# Altium PCB HealthSensors.PcbDoc
Units mm, origin at the board's own origin, x right, y up, seen from the top; angles counter-clockwise.
Board outline 50.5 x 66 mm, 2 copper layers (Top Layer, Bottom Layer); 144 components, 97 nets, 497 pads, 126 vias.
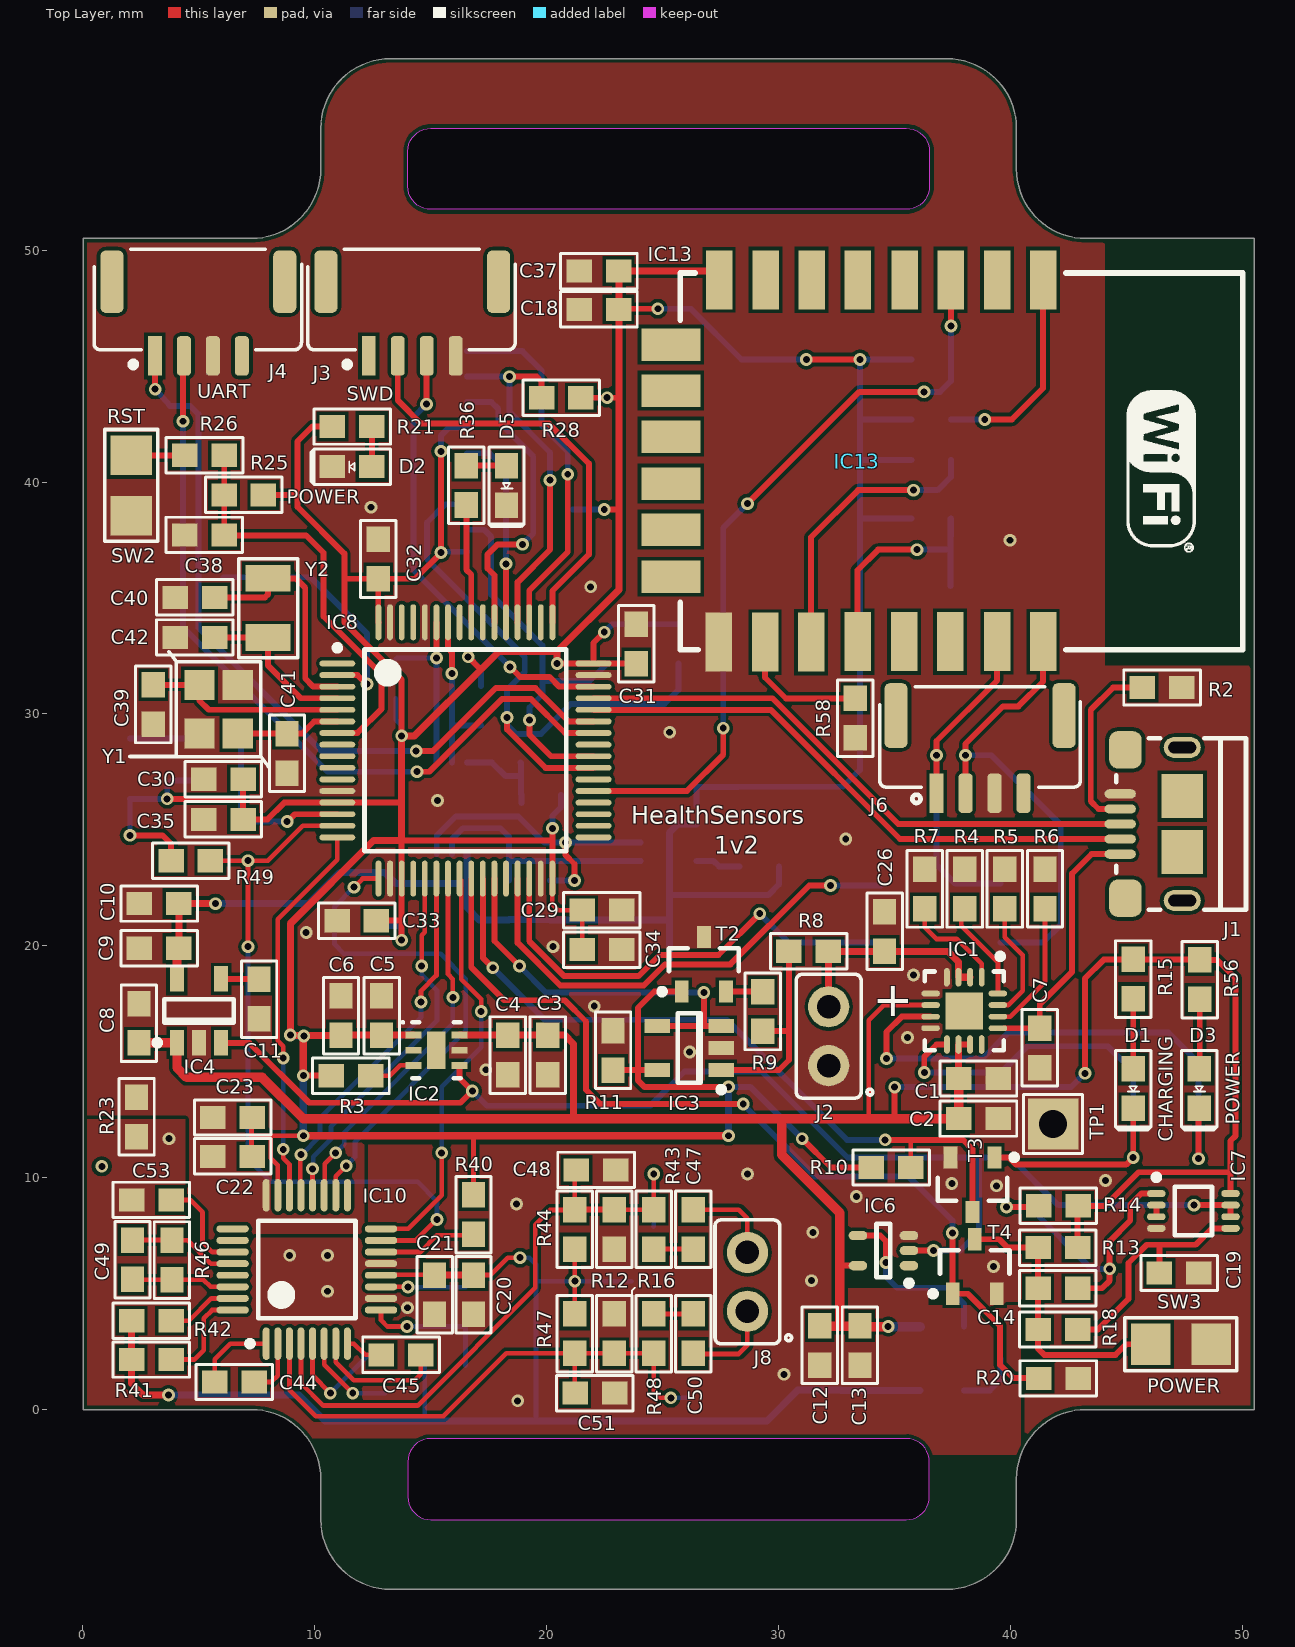
[diagram p0: Top Layer view]
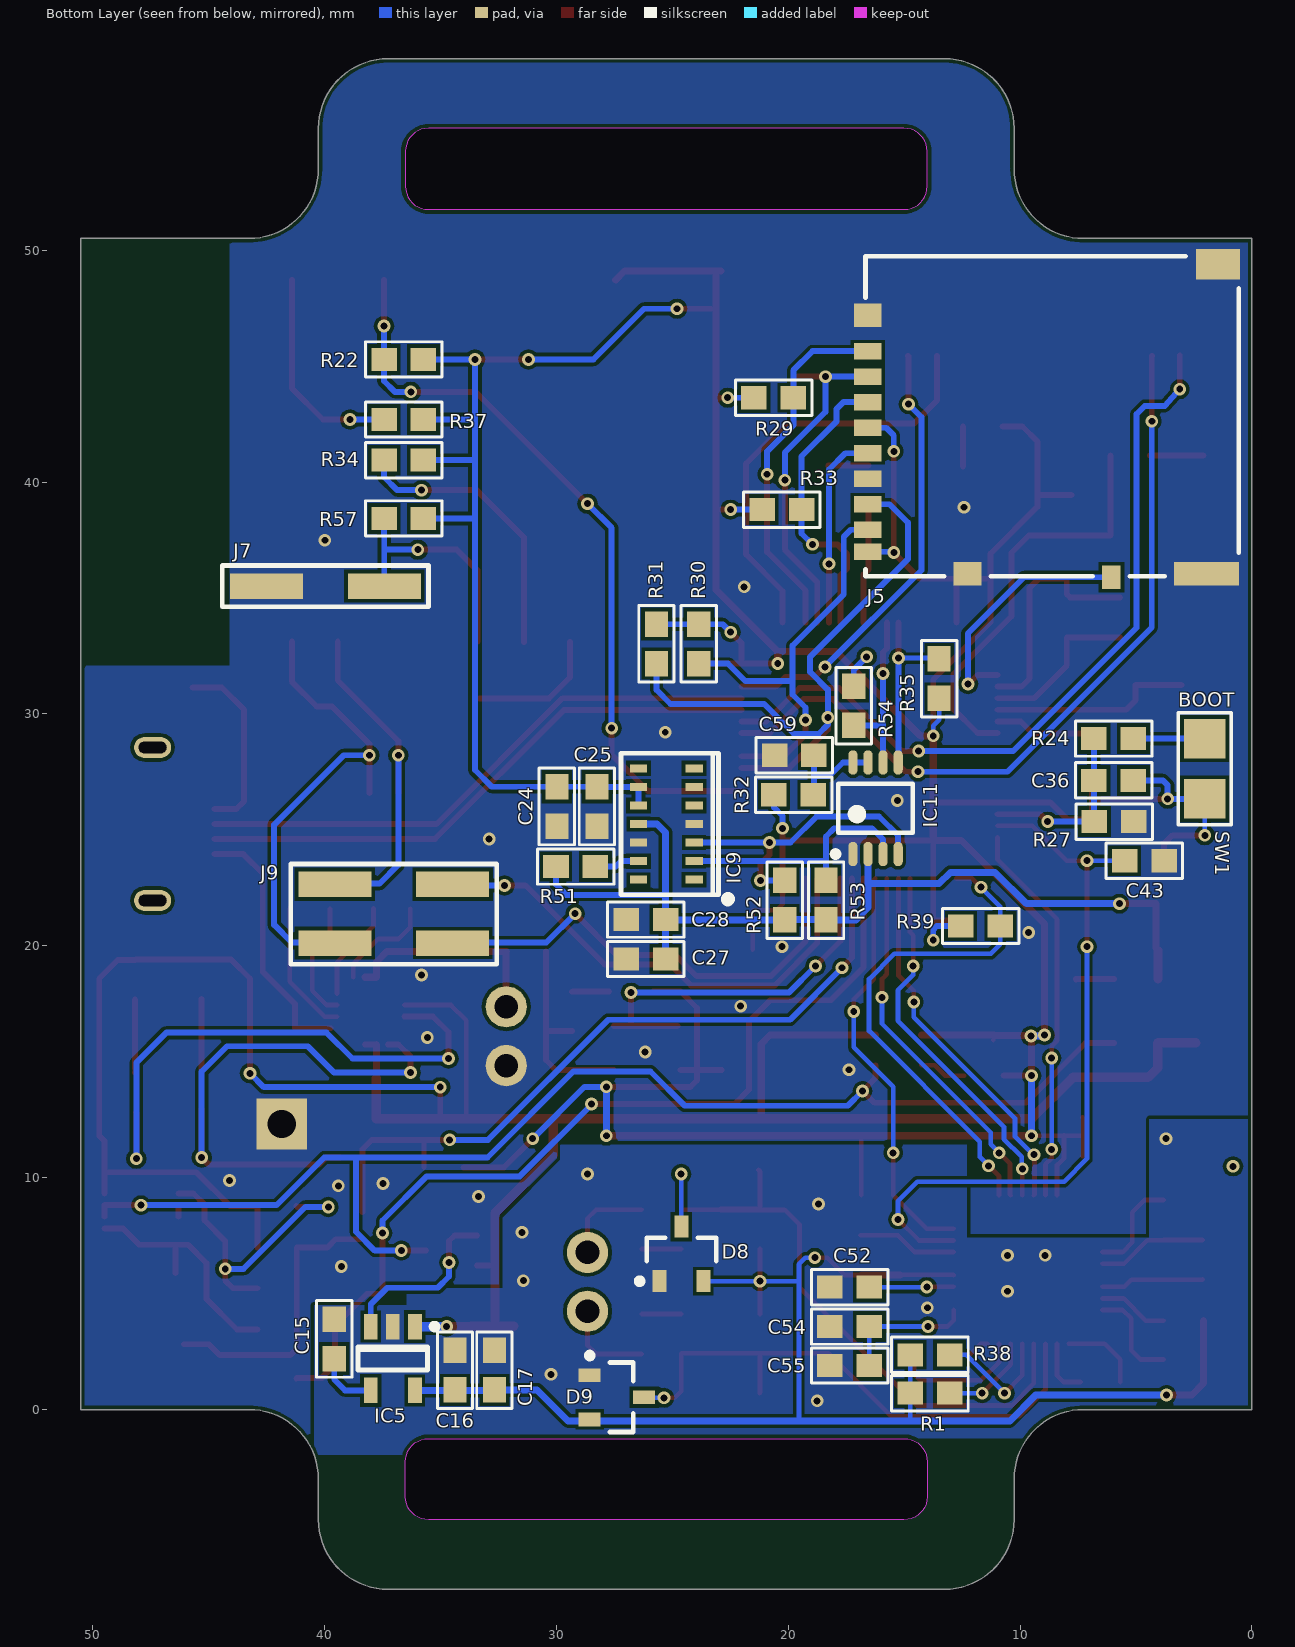
[diagram p1: Bottom Layer view, seen from below]

## Layer stack, top to bottom
Top Solder: solder mask 0.0102, Solder Resist, Dk 3.5
Top Layer: signal copper 0.0356
Dielectric 1: dielectric 0.32, FR-4, Dk 4.8
Bottom Layer: signal copper 0.0356
Bottom Solder: solder mask 0.0102, Solder Resist, Dk 3.5

## Board outline
0.004,0.004 7.254,0.004 cw(c7.254,-2.996) 10.254,-2.996 10.254,-4.746 ccw(c13.254,-4.746) 13.254,-7.746 37.254,-7.746 ccw(c37.254,-4.746) 40.254,-4.746 40.254,-2.996 cw(c43.254,-2.996) 43.254,0.004 50.504,0.004 50.504,50.504 43.254,50.504 cw(c43.254,53.504) 40.254,53.504 40.254,55.254 ccw(c37.254,55.254) 37.254,58.254 13.254,58.254 ccw(c13.254,55.254) 10.254,55.254 10.254,53.504 cw(c7.254,53.504) 7.254,50.504 0.004,50.504
cut-out: 14.004,52.754 14.004,54.254 cw(c15.004,54.254) 15.004,55.254 35.504,55.254 cw(c35.504,54.254) 36.504,54.254 36.504,52.754 cw(c35.504,52.754) 35.504,51.754 15.004,51.754 cw(c15.004,52.754)
cut-out: 14.004,-3.746 ccw(c15.004,-3.746) 15.004,-4.746 35.504,-4.746 ccw(c35.504,-3.746) 36.504,-3.746 36.504,-2.246 ccw(c35.504,-2.246) 35.504,-1.246 15.004,-1.246 ccw(c15.004,-2.246) 14.004,-2.246

## Design rules (kind name [scope] priority, off if disabled: settings)
BoardOutlineClearance [All] p1: gap=0.175 ignorepadtopadclearanceinfootprint=FALSE
Clearance [All] p1: gap=0.152 ignorepadtopadclearanceinfootprint=FALSE
HoleSize [All] p1: absolutevalues=TRUE maxlimit=2 minlimit=0.3 maxpercent=80.000 minpercent=20.000
HoleToHoleClearance [All] p1: gap=0.2 allowstackedmicrovias=TRUE
MinimumSolderMaskSliver [All] p1: minsoldermaskwidth=0.102
PolygonConnect [All] p1: connectstyle=Direct reliefconductorwidth=0.254 reliefentries=4 polygonreliefangle="90 Angle" airgapwidth=0.254
RoutingVias [All] p1: holewidth=0.3 width=2 viastyle="Through Hole" minholewidth=0.3 minwidth=0.55 maxholewidth=1 maxwidth=0.55
SilkToSilkClearance [All] p1: silktosilkclearance=0
SilkToSolderMaskClearance [IsPad] p1: minsilkscreentomaskgap=0.1 clearancetoexposedcopper=TRUE
SolderMaskExpansion [All] p1: expansion=0
Width [All] p1: maxlimit=1.016 minlimit=0.152 preferedwidth=0.203 minimp=50.000000 maximp=50.000000 favimp=50.000000
25 further rules are at their usual default settings.

## Components (designator, comment, footprint, x,y, rotation, side; value= is the part's Value field where it differs from the comment)
C1 "4.7uF" "CAP 0603" 38.616,14.279 r180 top
C2 "100nF" "CAP 0603" 38.616,12.551 r180 top
C3 "100nF" "CAP 0603" 20.041,15.291 r90 top
C4 "10uF" "CAP 0603" 18.313,15.291 r90 top
C5 "1uF" "CAP 0603" 12.878,16.993 r270 top
C6 "100nF" "CAP 0603" 11.125,16.993 r270 top
C7 "1uF" "CAP 0603" 41.257,15.599 r90 top
C8 "100nF" "CAP 0603" 2.413,16.662 r270 top
C9 "2.2uF" "CAP 0603" 3.284,19.892 r0 top
C10 "100nF" "CAP 0603" 3.284,21.822 r0 top
C11 "10nF" "CAP 0603" 7.595,17.704 r90 top
C12 "100nF" "CAP 0603" 31.775,2.769 r90 top
C13 "1uF" "CAP 0603" 33.503,2.769 r90 top
C14 "1uF" "CAP 0603" 42.037,5.232 r0 top
C15 "10nF" "CAP 0603" 39.573,3.048 r270 bottom
C16 "1uF" "CAP 0603" 34.366,1.702 r270 bottom
C17 "100nF" "CAP 0603" 32.664,1.702 r270 bottom
C18 "10uF" "CAP 0603" 22.25,47.447 r0 top
C19 "1uF" "CAP 0603" 47.269,5.893 r180 top
C20 "1uF" "CAP 0603" 16.84,4.953 r90 top
C21 "100nF" "CAP 0603" 15.164,4.953 r90 top
C22 "1uF" "CAP 0603" 6.452,10.922 r0 top
C23 "100nF" "CAP 0603" 6.452,12.598 r0 top
C24 "10uF" "CAP 0603" 29.972,26.01 r90 bottom
C25 "100nF" "CAP 0603" 28.245,26.01 r90 bottom
C26 "4.7uF" "CAP 0603" 34.569,20.625 r270 top
C27 "4.7uF" "CAP 0603" 26.137,19.431 r180 bottom
C28 "100nF" "CAP 0603" 26.137,21.133 r180 bottom
C29 "4.7uF" "CAP 0603" 22.377,21.539 r180 top
C30 "1uF" "CAP 0603" 6.053,27.182 r0 top
C31 "100nF" "CAP 0603" 23.858,33.024 r270 top
C32 "100nF" "CAP 0603" 12.733,36.681 r270 top
C33 "100nF" "CAP 0603" 11.807,21.086 r0 top
C34 "100nF" "CAP 0603" 22.377,19.837 r180 top
C35 "100nF" "CAP 0603" 6.053,25.455 r0 top
C36 "100nF" "CAP 0603" 5.965,27.135 r180 bottom
C37 "100nF" "CAP 0603" 22.25,49.098 r0 top
C38 "100nF" "CAP 0603" 5.232,37.719 r0 top
C39 "15pF" "CAP 0603" 3.03,30.408 r90 top
C40 "15pF" "CAP 0603" 4.826,35.027 r0 top
C41 "15pF" "CAP 0603" 8.796,28.299 r90 top
C42 "15pF" "CAP 0603" 4.826,33.299 r0 top
C43 "100nF" "CAP 0603" 4.636,23.673 r0 bottom
C44 "4.7nF" "CAP 0603" 6.528,1.194 r0 top
C45 "4.7nF" "CAP 0603" 13.716,2.362 r180 top
C47 "1uF" "CAP 0603" 26.314,7.772 r270 top
C48 "1nF" "CAP 0603" 22.123,10.338 r180 top
C49 "1.5nF" "CAP 0603" 2.134,6.464 r270 top
C50 "1uF" "CAP 0603" 26.314,3.277 r90 top
C51 "1nF" "CAP 0603" 22.073,0.711 r180 top
C52 "1uF" "CAP 0603" 17.348,5.283 r180 bottom
C53 "1uF" "CAP 0603" 2.946,9.042 r0 top
C54 "10uF" "CAP 0603" 17.348,3.581 r180 bottom
C55 "100nF" "CAP 0603" 17.348,1.905 r180 bottom
C59 "100pF" "CAP 0603" 19.736,28.219 r180 bottom
D1 "Orange" "LED 0603" 45.288,13.843 r270 top
D2 "Green" "LED 0603" 11.608,40.665 r180 top
D3 "Orange" "LED 0603" 48.133,13.843 r270 top
D5 "Green" "LED 0603" 18.263,39.853 r270 top
D8 "BAT54S" SOT23 24.602,6.712 r90 bottom
D9 "BAT54S" SOT23 27.381,0.533 r180 bottom
IC1 "BQ24232" QFN16 38.004,17.196 r270 top
IC2 "LP5912-3.3V" "WSON 6" 15.243,15.498 r0 top
IC3 "AS321" "SOT23, 5-Leads" 26.144,15.599 r180 top
IC4 "TPS799" "SOT23, 5-Leads" 5.004,17.196 r90 top
IC5 "TPS79133DBVREP" "SOT23, 5-Leads" 37.048,2.206 r270 bottom
IC6 "74AHC1G04" TSSOP5 34.519,6.858 r180 top
IC7 "SN74LVC2G132" TSSOP8 47.887,8.568 r0 top
IC8 "STM32L162" LQFP64_L 16.492,28.426 r0 top value=STM32L162RDT
IC9 "MAX30102" MAX30102 25.254,25.254 r0 bottom
IC10 "ADS1292" TQFP40 9.652,6.045 r90 top
IC11 "PCA9306" SSOP8 16.231,25.933 r90 bottom
IC13 "ESP12-E" "ESP8266 ESP-12-E" 24.994,32.131 r270 top
J1 "USB Micro" "FCI USB 10118193-0001LF" 47.354,25.254 r270 top
J2 "2 pin" "HDR 1x2 2.54" 32.156,16.104 r90 top
J3 "4 Pin GH SM" SM04B 14.199,47.041 r180 top
J4 "4 Pin GH SM" SM04B 4.978,47.041 r180 top
J5 "Micro SD" "HIROSE DM3AT-SF-PEJM5" 8.738,42.443 r90 bottom
J6 "4 Pin GH" BM04B 38.684,29.007 r180 top
J7 "2 pin" "Harwin vertical smt header - single" 39.954,35.509 r270 bottom
J8 "2 pin" "HDR 1x2 2.54" 28.651,5.512 r90 top
J9 "4 pin" "Harwin vertical smt header - double" 37.008,21.387 r90 bottom
R1 "10k" "RES 0603" 13.882,0.711 r180 bottom
R2 "100k" "RES 0603" 46.533,31.14 r180 top
R3 "100k" "RES 0603" 11.557,14.402 r180 top
R4 "4.3k" "RES 0603" 38.024,22.454 r270 top
R5 "3.6k" "RES 0603" 39.751,22.454 r270 top
R6 "56k" "RES 0603" 41.486,22.457 r270 top
R7 "10k" "RES 0603" 36.297,22.454 r270 top
R8 "30k" "RES 0603" 31.293,19.765 r0 top
R9 "100k" "RES 0603" 29.312,17.17 r270 top
R10 "10k" "RES 0603" 34.849,10.439 r180 top
R11 "100k" "RES 0603" 22.86,15.494 r270 top
R12 "10M" "RES 0603" 22.911,7.772 r270 top
R13 "100k" "RES 0603" 42.037,6.985 r0 top
R14 "100k" "RES 0603" 42.062,8.788 r0 top
R15 "1k" "RES 0603" 45.288,18.567 r270 top
R16 "10M" "RES 0603" 22.911,3.277 r90 top
R18 "5M" "RES 0603" 42.037,3.454 r180 top
R20 "100k" "RES 0603" 42.062,1.346 r180 top
R21 "470" "RES 0603" 11.608,42.393 r180 top
R22 "10k" "RES 0603" 36.576,45.288 r180 bottom
R23 "0R" "RES 0603" 2.311,12.624 r90 top
R24 "1k" "RES 0603" 5.965,28.938 r180 bottom
R25 "10k" "RES 0603" 6.934,39.446 r0 top
R26 "1k" "RES 0603" 5.24,41.152 r180 top
R27 "10k" "RES 0603" 5.94,25.357 r0 bottom
R28 "47k" "RES 0603" 20.625,43.637 r180 top
R29 "47k" "RES 0603" 20.625,43.637 r180 bottom
R30 "47k" "RES 0603" 23.851,33.02 r270 bottom
R31 "47k" "RES 0603" 25.679,33.02 r270 bottom
R32 "200k" "RES 0603" 19.761,26.518 r0 bottom
R33 "47k" "RES 0603" 20.269,38.811 r180 bottom
R34 "10k" "RES 0603" 36.576,40.945 r180 bottom
R35 "10k" "RES 0603" 13.487,31.521 r270 bottom
R36 "470" "RES 0603" 16.532,39.86 r270 top
R37 "10k" "RES 0603" 36.576,42.697 r180 bottom
R38 "10k" "RES 0603" 13.882,2.362 r180 bottom
R39 "10k" "RES 0603" 11.698,20.853 r0 bottom
R40 "10k" "RES 0603" 16.84,8.407 r90 top
R41 "10k" "RES 0603" 2.946,2.159 r180 top
R42 "10k" "RES 0603" 2.946,3.835 r180 top
R43 "30k" "RES 0603" 24.613,7.772 r90 top
R44 "10M" "RES 0603" 21.209,7.772 r90 top
R46 "1.5M" "RES 0603" 3.835,6.452 r270 top
R47 "10M" "RES 0603" 21.209,3.277 r270 top
R48 "30k" "RES 0603" 24.613,3.277 r270 top
R49 "10k" "RES 0603" 4.648,23.673 r180 top
R51 "10k" "RES 0603" 29.159,23.419 r0 bottom
R52 "10k" "RES 0603" 20.142,21.971 r270 bottom
R53 "10k" "RES 0603" 18.364,21.971 r270 bottom
R54 "10k" "RES 0603" 17.17,30.353 r90 bottom
R56 "1k" "RES 0603" 48.158,18.542 r90 top
R57 "10k" "RES 0603" 36.576,38.43 r180 bottom
R58 "10k" "RES 0603" 33.299,29.82 r90 top
SW1 "BUTTON-NO" "SW OMRON" 2.032,27.635 r90 bottom
SW2 "BUTTON-NO" "SW OMRON" 2.083,39.853 r270 top
SW3 "BUTTON-NO" "SW OMRON" 47.346,2.819 r0 top
T2 "2N7002" SOT23 26.772,19.202 r90 top
T3 "2N7002" SOT23 38.354,9.703 r270 top
T4 "2N7002" SOT23 38.456,6.172 r90 top
TP1 "Test Point" "TP THT 48MILS" 41.834,12.319 r0 top
Y1 "24MHz" "RESONATOR ILCX13" 5.824,30.204 r270 top
Y2 "32kHz" "RESONATOR CFPX–217" 7.983,34.573 r90 top

## Footprints (in the part's own frame and the unit in brackets; to place one, negate y for a bottom-side part, rotate by r counter-clockwise, add the part's x,y. Pads: shape width x height; smd on the part's side, far side on the other; paste and mask are expansions set on the pad)
BM04B [mm]
  rect 0.6x1.7 smd: 1(1.875,2.425)
  rrect50% 0.6x1.7 smd: 2(0.625,2.425) 3(-0.625,2.425) 4(-1.875,2.425)
  rrect50% 1x2.8 smd: 5(-3.625,-0.925) 6(3.625,-0.925)
  silkscreen extent -4.32,-2.16 4.32,2.84, body extent -4.15,-2.02 4.12,2.73, height 4
"CAP 0603" [mm] "Chip Capacitor, 2-Leads"
  rect 1.1x1 smd: 1(-0.85,0) 2(0.85,0)
  silkscreen extent -1.65,-0.76 1.65,0.76, body extent -0.8,-0.4 0.8,0.4, height 0.8
"ESP8266 ESP-12-E" [mil] "ESP8266 ESP-12-E"
  rect 100x45 smd: 1(-653,646) 2(-653,568) 3(-653,489) 4(-653,411) 5(-653,331) 6(-653,253) 7(-653,175) 8(-653,96) 15(-38,95) 16(-38,174) 17(-38,252) 18(-39,331) 19(-39,410) 20(-39,488) 21(-39,568) 22(-39,646)
  rect 55x100 smd: 9(-543,14) 10(-465,14) 11(-387,14) 12(-307,14) 13(-229,14) 14(-149,14)
  silkscreen extent -665,30 -25,985, body extent -659,33 -29,979, height 150
"FCI USB 10118193-0001LF" [mm] "USB 2.0 Type B Micro"
  oval 0.4x1.35 smd: 1(1.3,-2.625) 2(0.65,-2.625) 3(0,-2.625) 4(-0.65,-2.625) 5(-1.3,-2.625)
  oval 0.9x1.6 hole 0.5 slot 1.2 at 90 deg: S(-3.3,0.05) S(3.3,0.05)
  rrect50% 1.6x1.4 smd: S(-3.2,-2.4) S(3.2,-2.4)
  rect 1.9x1.8 smd: S(-1.2,0.05) S(1.2,0.05)
  silkscreen extent -3.7,-2.8 3.7,2.8, body extent -3.93,-2.9 3.93,2.76, height 2.78
"Harwin vertical smt header - double" [mm]
  rect 1.1x3.15 smd: 1(-1.27,-2.54) 2(-1.27,2.54) 3(1.27,-2.54) 4(1.27,2.54)
  silkscreen extent -2.17,-4.44 2.14,4.44
"Harwin vertical smt header - single" [mm]
  rect 1.1x3.15 smd: 1(0,-2.54) 2(0,2.54)
  silkscreen extent -0.89,-4.44 0.89,4.44
"HDR 1x2 2.54" [mil]
  round 70 hole 40: 1(-50,0) 2(50,0)
  silkscreen extent -105,-75 105,55, body extent -100,-47 100,47, height 339
"HIROSE DM3AT-SF-PEJM5" [mm]
  rect 0.7x1.2 smd: 1(3.2,7.825) 2(2.1,7.825) 3(1,7.825) 4(-0.1,7.825) 5(-1.2,7.825) 6(-2.3,7.825) 7(-3.4,7.825) 8(-4.5,7.825) 9(-5.45,7.825)
  rect 1x0.8 smd: 10(-6.55,-2.675)
  rect 1x2.8 smd: S(-6.4,-6.775)
  rect 1x1.2 smd: S(-6.4,3.525) S(4.75,7.825)
  rect 1.3x1.9 smd: S(6.95,-7.275)
  silkscreen extent -6.5,-8.18 7.3,7.93, body extent -6.53,-8.17 7.32,7.98, height 1.68
"LED 0603" [mm] "Chip Diode, 2-Leads"
  rect 1.1x1 smd: 1(-0.85,0) 2(0.85,0)
  silkscreen extent -1.65,-0.76 1.78,0.76, body extent -0.8,-0.4 0.8,0.4, height 0.53
LQFP64_L [mm] "Thin QFP, 64-Leads, Body 10x10mm, Pitch 0.5mm, IPC High Density"
  oval 1.55x0.25 smd: 1(-5.525,3.75) 2(-5.525,3.25) 3(-5.525,2.75) 4(-5.525,2.25) 5(-5.525,1.75) 6(-5.525,1.25) 7(-5.525,0.75) 8(-5.525,0.25) 9(-5.525,-0.25) 10(-5.525,-0.75) 11(-5.525,-1.25) 12(-5.525,-1.75) 13(-5.525,-2.25) 14(-5.525,-2.75) 15(-5.525,-3.25) 16(-5.525,-3.75) 33(5.525,-3.75) 34(5.525,-3.25) 35(5.525,-2.75) 36(5.525,-2.25) 37(5.525,-1.75) 38(5.525,-1.25) 39(5.525,-0.75) 40(5.525,-0.25) 41(5.525,0.25) 42(5.525,0.75) 43(5.525,1.25) 44(5.525,1.75) 45(5.525,2.25) 46(5.525,2.75) 47(5.525,3.25) 48(5.525,3.75)
  oval 0.25x1.55 smd: 17(-3.75,-5.525) 18(-3.25,-5.525) 19(-2.75,-5.525) 20(-2.25,-5.525) 21(-1.75,-5.525) 22(-1.25,-5.525) 23(-0.75,-5.525) 24(-0.25,-5.525) 25(0.25,-5.525) 26(0.75,-5.525) 27(1.25,-5.525) 28(1.75,-5.525) 29(2.25,-5.525) 30(2.75,-5.525) 31(3.25,-5.525) 32(3.75,-5.525) 49(3.75,5.525) 50(3.25,5.525) 51(2.75,5.525) 52(2.25,5.525) 53(1.75,5.525) 54(1.25,5.525) 55(0.75,5.525) 56(0.25,5.525) 57(-0.25,5.525) 58(-0.75,5.525) 59(-1.25,5.525) 60(-1.75,5.525) 61(-2.25,5.525) 62(-2.75,5.525) 63(-3.25,5.525) 64(-3.75,5.525)
  silkscreen extent -5.65,-4.35 4.35,4.55, body extent -5,-5 5,5, height 1.6
MAX30102 [mm]
  rect 0.75x0.35 smd mask+0: 1(-1.2,2.4) 2(-1.2,1.6) 3(-1.2,0.8) 4(-1.2,0) 5(-1.2,-0.8) 6(-1.2,-1.6) 7(-1.2,-2.4) 8(1.2,-2.4) 9(1.2,-1.6) 10(1.2,-0.8) 11(1.2,0) 12(1.2,0.8) 13(1.2,1.6) 14(1.2,2.4)
  silkscreen extent -2.65,-3.05 1.95,3.25, body extent -1.65,-2.8 1.65,2.8, height 1
QFN16 [mm] "QFN, 16-Leads, Body 3.00x3.00mm, Pitch 0.50mm, Thermal Pad 1.68x1.68mm, IPC Medium Density"
  oval 0.8x0.25 smd: 1(-1.45,0.75) 2(-1.45,0.25) 3(-1.45,-0.25) 4(-1.45,-0.75) 9(1.45,-0.75) 10(1.45,-0.25) 11(1.45,0.25) 12(1.45,0.75)
  oval 0.25x0.8 smd: 5(-0.75,-1.45) 6(-0.25,-1.45) 7(0.25,-1.45) 8(0.75,-1.45) 13(0.75,1.45) 14(0.25,1.45) 15(-0.25,1.45) 16(-0.75,1.45)
  rect 1.6x1.6 smd: 17(0,0)
  silkscreen extent -2.47,-1.7 1.7,1.7, body extent -1.55,-1.55 1.55,1.55, height 1
"RES 0603" [mm] "Chip Resistor, 2-Leads"
  rect 1.1x1 smd: 1(-0.85,0) 2(0.85,0)
  silkscreen extent -1.65,-0.76 1.65,0.76, body extent -0.8,-0.4 0.8,0.4, height 0.35
"RESONATOR CFPX–217" [mm] "RESONATOR, CFPX–217, 32k"
  rect 1.15x1.95 smd: 1(-1.275,0) 2(1.275,0)
  silkscreen extent -2.15,-1.27 2.12,1.27, body extent -1.57,-0.8 1.63,0.8, height 0.55
"RESONATOR ILCX13" [mm] "RESONATOR, ILCX13, 20MHz"
  rect 1.3x1.3 smd: 1(-1.05,-0.8) 2(1.05,-0.8) 3(1.05,0.85) 4(-1.05,0.85)
  silkscreen extent -2.47,-2.12 2.47,2.17, body extent -1.55,-1.25 1.5,1.35, height 0.55
SM04B [mm]
  rect 0.6x1.7 smd: 1(1.875,1.6)
  rrect50% 0.6x1.7 smd: 2(0.625,1.6) 3(-0.625,1.6) 4(-1.875,1.6)
  rrect50% 1x2.7 smd: M1(3.725,-1.6) M2(-3.725,-1.6)
  silkscreen extent -4.45,-3 4.5,2.05, body extent -4.16,-2.82 4.15,1.91, height 4.25
SOT23 [mm] "SOT23, 3-Leads, Body 2.90x2.40mm, Pitch 0.95mm, IPC Medium Density"
  rect 0.95x0.6 smd: 1(-1.175,0.95) 2(-1.175,-0.95) 3(1.175,0)
  silkscreen extent -1.3,-1.5 0.7,1.93, body extent -0.7,-1.5 0.7,1.5, height 1.1
"SOT23, 5-Leads" [mm] "SOT23, 5-Leads, Body 2.88x2.80mm, Pitch 0.95mm, IPC Medium Density"
  rect 1.1x0.6 smd: 1(-1.375,0.95) 2(-1.375,0) 3(-1.375,-0.95) 4(1.375,-0.95) 5(1.375,0.95)
  silkscreen extent -1.5,-1.5 0.5,1.92, body extent -0.88,-1.5 0.87,1.5, height 1.45
SSOP8 [mm]
  oval 1.05x0.4 smd: 1(-1.975,0.975) 2(-1.975,0.325) 3(-1.975,-0.325) 4(-1.975,-0.975) 5(1.975,-0.975) 6(1.975,-0.325) 7(1.975,0.325) 8(1.975,0.975)
  silkscreen extent -2.1,-1.6 1.05,1.85, body extent -1.45,-1.6 1.45,1.6, height 1.3
"SW OMRON" [mm] "SWITCH, OMRON, SMALL"
  rect 1.7x1.8 smd mask+0: 1(-1.3,0) 2(1.3,0)
  silkscreen extent -2.41,-1.14 2.41,1.14, body extent -1.51,-1.25 1.49,1.25, height 1.6
"TP THT 48MILS" [mil]
  rect 86x86 hole 48: 1(0,0)
  silkscreen extent -50,-50 50,50
TQFP40 [mm] "TSQFP, 32-Leads, Body 5.00x5.00mm, Pitch 0.50mm, IPC Medium Density"
  oval 1.4x0.3 smd: 1(-3.2,1.75) 2(-3.2,1.25) 3(-3.2,0.75) 4(-3.2,0.25) 5(-3.2,-0.25) 6(-3.2,-0.75) 7(-3.2,-1.25) 8(-3.2,-1.75) 17(3.2,-1.75) 18(3.2,-1.25) 19(3.2,-0.75) 20(3.2,-0.25) 21(3.2,0.25) 22(3.2,0.75) 23(3.2,1.25) 24(3.2,1.75)
  oval 0.3x1.4 smd: 9(-1.75,-3.2) 10(-1.25,-3.2) 11(-0.75,-3.2) 12(-0.25,-3.2) 13(0.25,-3.2) 14(0.75,-3.2) 15(1.25,-3.2) 16(1.75,-3.2) 25(1.75,3.2) 26(1.25,3.2) 27(0.75,3.2) 28(0.25,3.2) 29(-0.25,3.2) 30(-0.75,3.2) 31(-1.25,3.2) 32(-1.75,3.2)
  silkscreen extent -3.32,-2.1 2.1,2.57, body extent -2.5,-2.5 2.5,2.5, height 1.2
TSSOP5 [mm]
  oval 0.8x0.4 smd: 1(-1.1,0.65) 2(-1.1,0) 3(-1.1,-0.65) 4(1.1,-0.65) 5(1.1,0.65)
  silkscreen extent -1.23,-1.15 0.3,1.52, body extent -0.7,-1.15 0.7,1.15, height 1.1
TSSOP8 [mm] "TSSOP, 8-Leads, Body 2.00x2.30mm, Pitch 0.50mm, IPC Medium Density"
  oval 0.8x0.3 smd: 1(-1.6,0.75) 2(-1.6,0.25) 3(-1.6,-0.25) 4(-1.6,-0.75) 5(1.6,-0.75) 6(1.6,-0.25) 7(1.6,0.25) 8(1.6,0.75)
  silkscreen extent -1.72,-1.05 0.8,1.57, body extent -1.2,-1.05 1.2,1.05, height 0.9
"WSON 6" [mm] "SON, 6-Leads, Body 2.00x2.00mm, Pitch 0.65mm, Thermal Pad 1.60x0.89mm, IPC Medium Density"
  rect 0.7x0.3 smd: 1(-0.995,0.65) 2(-0.995,0) 3(-0.995,-0.65) 4(0.995,-0.65) 5(0.995,0) 6(0.995,0.65)
  rect 0.8x1.6 smd: 7(0,0)
  silkscreen extent -1.5,-1.2 1.05,1.25, body extent -1.05,-1.05 1.05,1.05, height 0.8

## Part data
C1 C2 C3 C4 C5 C6 C7 C8 C9 C10 C11 C12 C13 C14 C15 C16 C17 C18 C19 C20 C21 C22 C23 C24 C25 C26 C27 C28 C29 C30 C31 C32 C33 C34 C35 C36 C37 C38 C39 C40 C41 C42 C43 C44 C45 C47 C48 C49 C50 C51 C52 C53 C54 C55 C59: library part Capacitor, "SMT Capacitor"
D1 D2 D3 D5: library part LED, "Chip LED"
D8 D9: "Schottky barrier diodes"
IC1: library part "TI BQ24232", "USB Friendly 0.5A Li+ Charger w/ Dynamic Power Management"
IC2: library part "TI LP5912-3.3V", "50 mA, 3 V TO 50 V, MICROPOWER, LOW-DROPOUT LINEAR REGULATOR"
IC3: "Op amp"
IC4: library part "TI TPS799", "TPS799 200-mA, Low-Quiescent Current, Ultralow Noise, High-PSRR Low-Dropout Linear  Regulator"
IC5: library part "TI TPS79133DBVREP", "ULTRALOW NOISE, HIGH PSRR, FAST RF, 100-mA  LOW-DROPOUT LINEAR REGULATORS"
IC6: "Inverter"
IC7: "Dual 2-Input NAND Gate With Schmitt-Trigger Inputs"
IC8: "STM32 ARM-based 32-bit MCU with 32 Kbytes Flash, 64-pin LQFP", Package=LQFP64, ComponentLink1Description=http://www.st.com/content/ccc/resource/technical/document/datasheet/ee/d5/84/2b/a9/ae/44/3d/DM00039232.pdf/files/DM00039232.pdf/jcr:content/translations/en.DM00039232.pdf, ComponentLink1URL=http://www.st.com/stonline/products/literature/ds/13586.pdf
IC9: "Pulse Oximeter and Heart-Rate Sensor"
IC10: library part ADS1292IRSMT, "ADS1292IRSMT Analog Front End - AFE Cmplt Lw Pwr Intgrtd AFE for ECG apps", Manufacture="Texas Instruments", Operating Supply Curren="750 uA", Operating Supply Voltage="1.7 V to 3.6 V, 2.7 V to 5.25 V", Package/Cas=VQFN-32, Supply Voltage - Min - Max="2.7V - 5.25V", DatasheetURL=http://www.ti.com/lit/ds/symlink/ads1292.pdf, Product Category="Analog Front End - AFE", Series=ADS1292, SNR - Signal to Noise Ratio="107 dB", StoreURL=http://pl.mouser.com/Search/ProductDetail.aspx?R=ADS1292IRSMTvirtualkey59500000virtualkey595-ADS1292IRSMT
IC11: "Dual Bidirectional I2C Bus and SMBus Voltage-Level Translator"
IC13: library part ESP-12E, "Wifi module, esp12-e, based on ESP8266 chip"
J1: library part "USB 2.0 Type B Micro", "Micro usb"
J2: "2 pin header, male"
J3 J4: "Zlacze GH, meskie, poziome, 4 piny, SMD"
J5: library part "Hirose DM3 MicroSD", "Micro sd card slot"
J6: "Zlacze GH, meskie, proste, 4 piny, SMD"
J7: library part "harvin vertical smt header - single", "2 pin vertical connection smt harvin"
J8: library part "2 Pin", "2 pin header, male"
J9: library part "harvin vertical smt header - double", "4 pin vertical connection smt harvin"
R1 R2 R3 R4 R5 R6 R7 R8 R9 R10 R11 R12 R13 R14 R15 R16 R18 R20 R21 R22 R23 R24 R25 R26 R27 R28 R29 R30 R31 R32 R33 R34 R35 R36 R37 R38 R39 R40 R41 R42 R43 R44 R46 R47 R48 R49 R51 R52 R53 R54 R56 R57 R58: library part Resistor, "SMDResistor"
SW1 SW2 SW3: library part "BUTTON-NO 2 PIN Small", "Button, SMD, Small, 2.5x3mm"
T2 T3 T4: library part N-MOSFET, "Unipolar transistor N-MOSFET"
Y1: library part "Resonator (4pin)", "Resonator"
Y2: library part Resonator, "Resonator"

## Via types
v1: diameter 0.55, hole 0.3, Top Layer to Bottom Layer, 126 vias
